# Altium PCB WeatherMonitor.PcbDoc (part 1 of 2) (continued)
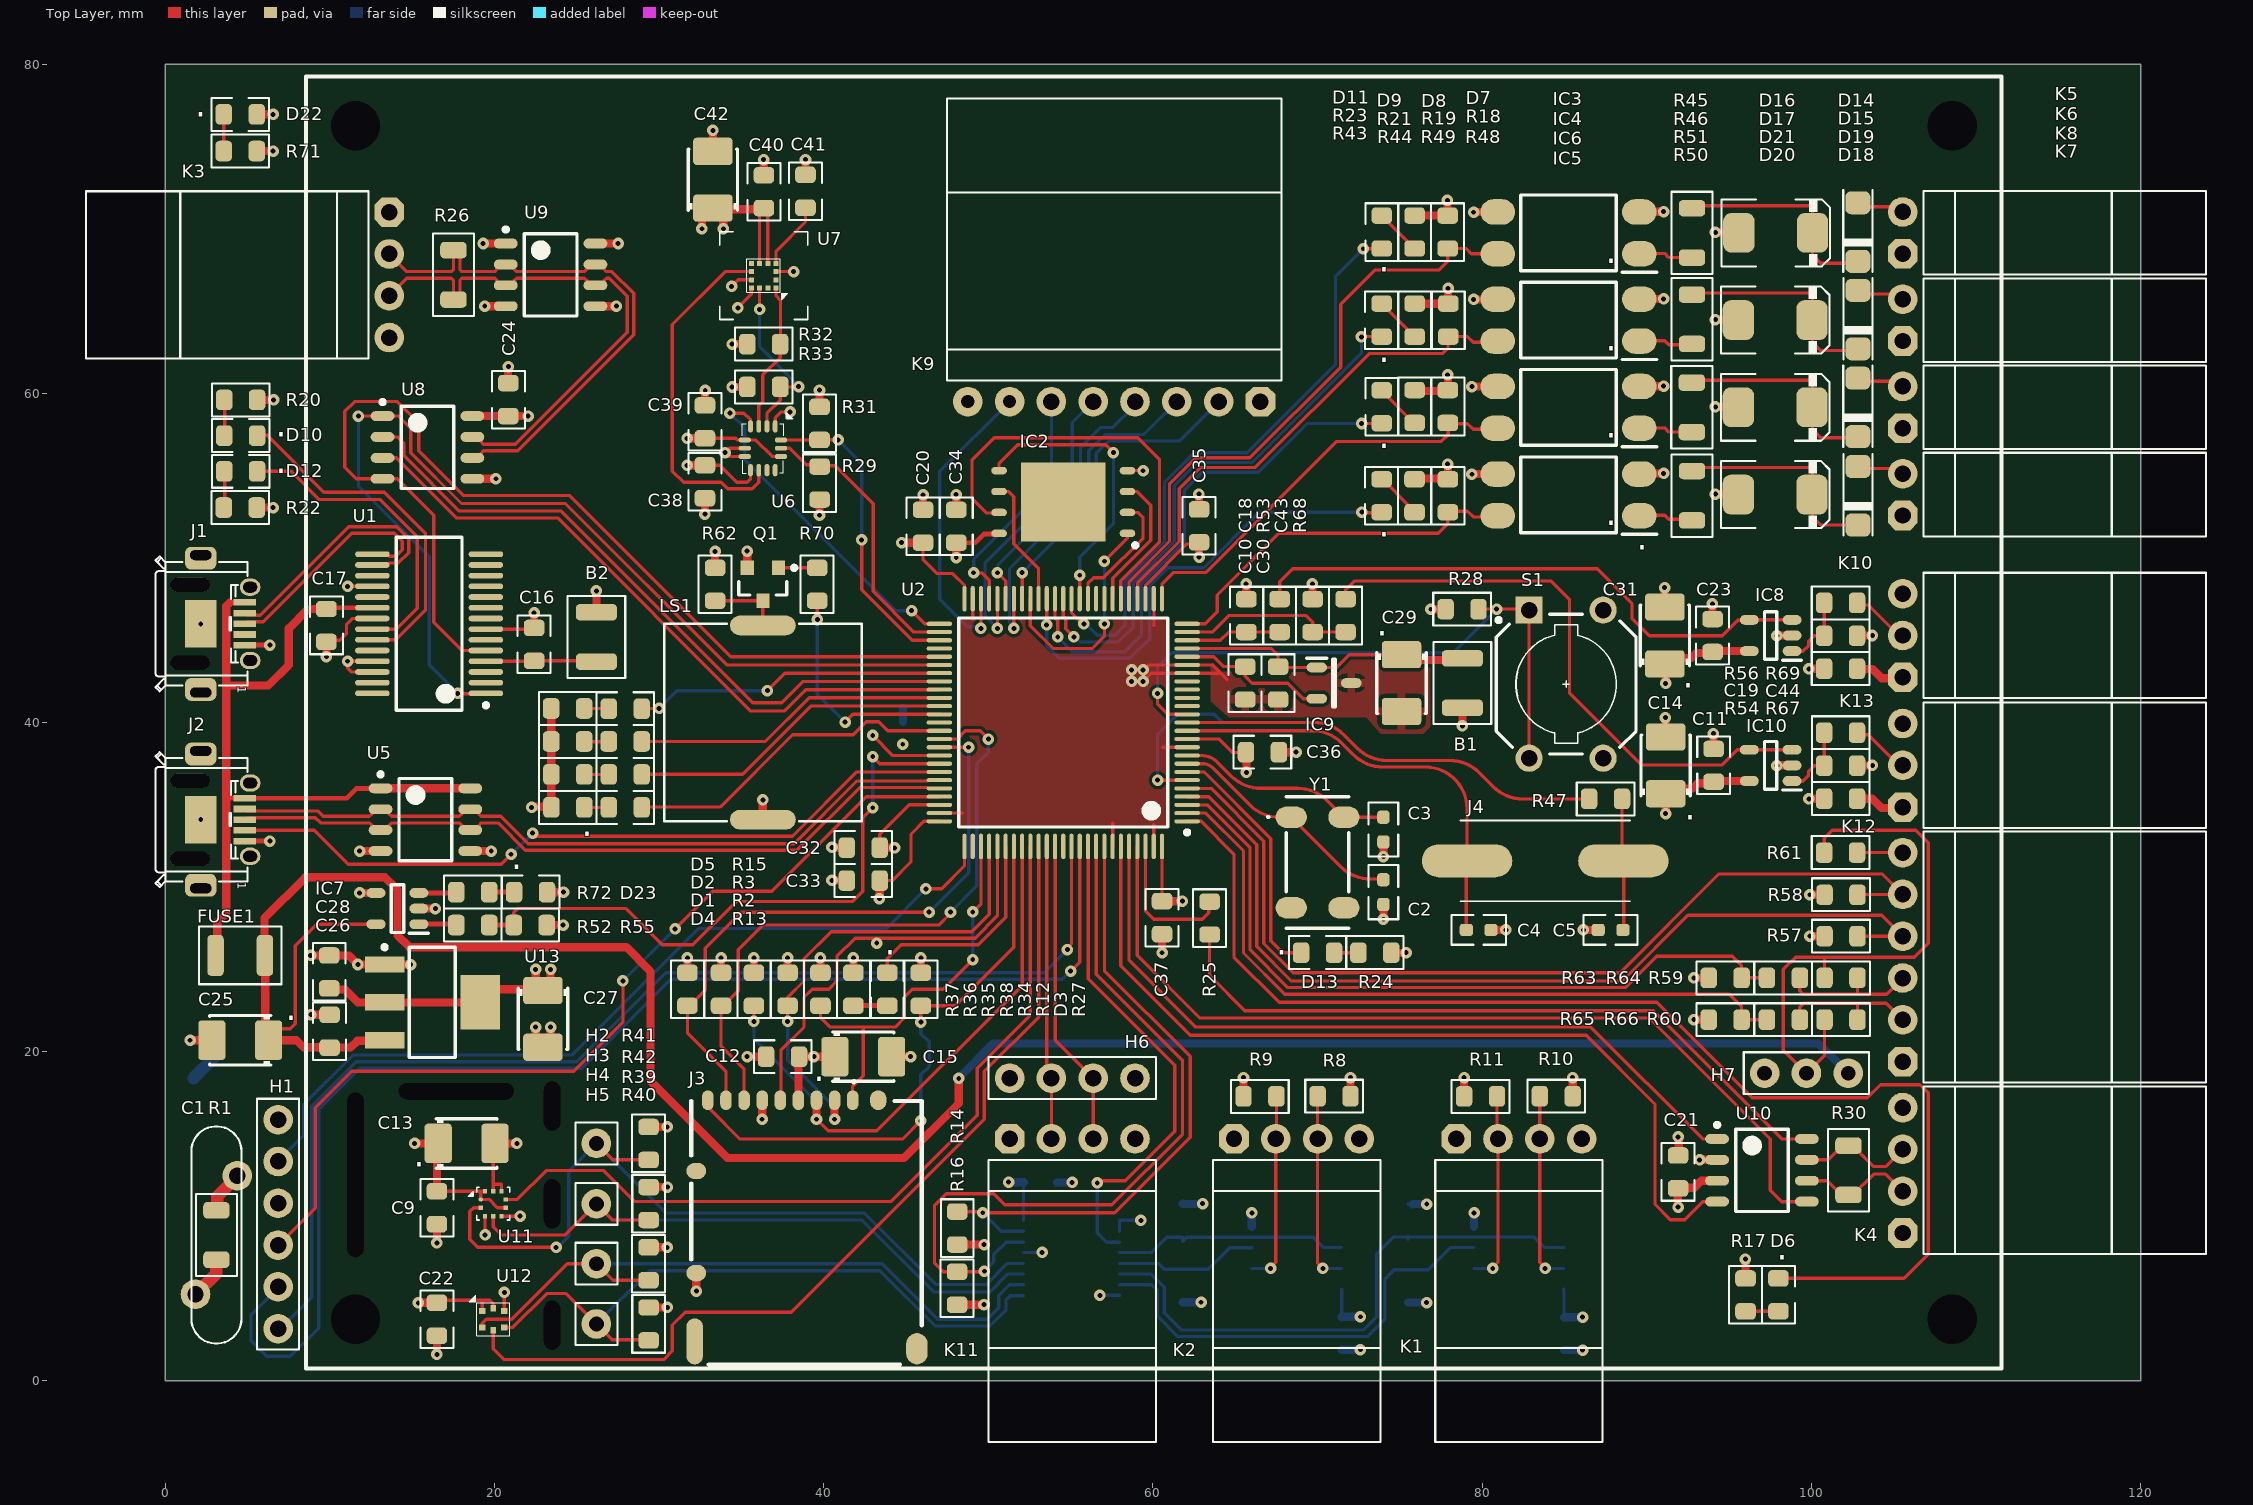
[diagram p0: Top Layer view]
## Footprints (in the part's own frame and the unit in brackets; to place one, negate y for a bottom-side part, rotate by r counter-clockwise, add the part's x,y. Pads: shape width x height; smd on the part's side, far side on the other; paste and mask are expansions set on the pad) (continued)
  silkscreen extent -2.85,-2.5 1.6,2.88, body extent -2,-2.5 2,2.5, height 1.75
SON127P800X600X100-9N-D [mm]
  oval 0.95x0.45 smd: 1(-3.9,1.905) 2(-3.9,0.635) 3(-3.9,-0.635) 4(-3.9,-1.905) 5(3.9,-1.905) 6(3.9,-0.635) 7(3.9,0.635) 8(3.9,1.905)
  rect 5.16x4.8 smd: 9(0,0)
  silkscreen extent -4.5,2.51 -4.25,2.75, body extent -4.05,-3 4.05,3, height 1
SOP65P640X110-16N [mil]
  oval 58x14 smd: 1(-115,90) 2(-115,64) 3(-115,38) 4(-115,13) 5(-115,-13) 6(-115,-38) 7(-115,-64) 8(-115,-90) 9(115,-90) 10(115,-64) 11(115,-38) 12(115,-13) 13(115,13) 14(115,38) 15(115,64) 16(115,90)
  silkscreen extent -74,-100 198,100
SOP254P960X420-4N [mm]
  oval 2.1x1.55 smd: 1(-4.3,1.27) 2(-4.3,-1.27) 3(4.3,-1.27) 4(4.3,1.27)
  silkscreen extent -5.35,-2.3 2.9,2.39, body extent -4.8,-2.3 4.8,2.3, height 4.2
SOT95P237X112-3N [mm]
  oval 1.25x0.6 smd: 1(-1.05,0.95) 2(-1.05,-0.95) 3(1.05,0)
  silkscreen extent -1.67,-1.46 0.08,1.5, body extent -1.18,-1.46 1.18,1.46, height 1.12
SOT95P280X145-5N [mm]
  oval 1.15x0.6 smd: 1(-1.3,0.95) 2(-1.3,0) 3(-1.3,-0.95) 4(1.3,-0.95) 5(1.3,0.95)
  silkscreen extent -1.88,-1.45 0.38,1.5, body extent -1.4,-1.45 1.4,1.45, height 1.45
SOT-223_N [mm] "SOT223, 4-Leads, Body 6.5x3.5mm, Pitch 2.3mm, Lead Span 7mm, IPC Medium Density"
  rect 2.4x1 smd: 1(-2.9,2.3) 2(-2.9,0) 3(-2.9,-2.3)
  rect 2.4x3.3 smd: 4(2.9,0)
  silkscreen extent -3.02,-3.35 1.4,3.47, body extent -1.85,-3.35 1.85,3.35, height 1.8
SSOP-28_N [mm] "SOP, 28-Leads, Body 10.2x5.3mm, Pitch 0.65mm, IPC Medium Density"
  oval 2.1x0.35 smd: 1(-3.45,4.225) 2(-3.45,3.575) 3(-3.45,2.925) 4(-3.45,2.275) 5(-3.45,1.625) 6(-3.45,0.975) 7(-3.45,0.325) 8(-3.45,-0.325) 9(-3.45,-0.975) 10(-3.45,-1.625) 11(-3.45,-2.275) 12(-3.45,-2.925) 13(-3.45,-3.575) 14(-3.45,-4.225) 15(3.45,-4.225) 16(3.45,-3.575) 17(3.45,-2.925) 18(3.45,-2.275) 19(3.45,-1.625) 20(3.45,-0.975) 21(3.45,-0.325) 22(3.45,0.325) 23(3.45,0.975) 24(3.45,1.625) 25(3.45,2.275) 26(3.45,2.925) 27(3.45,3.575) 28(3.45,4.225)
  silkscreen extent -3.57,-5.25 2,5.25, body extent -2.8,-5.25 2.8,5.25, height 2
WF2R [mm]
  oct 1.8x1.8 hole 1: 1(1.27,0)
  round 1.8 hole 1: 2(-1.27,0)
  silkscreen extent -2.54,1.27 2.54,18.41, body extent -2.54,-0.33 2.54,13.5, height 5.8
WF3R [mm]
  oct 1.8x1.8 hole 1: 1(2.54,0)
  round 1.8 hole 1: 2(0,0) 3(-2.54,0)
  silkscreen extent -3.81,1.27 3.81,18.41, body extent -3.81,-0.33 3.81,13.5, height 5.8
WF4R [mm]
  oct 1.8x1.8 hole 1: 1(3.81,0)
  round 1.8 hole 1: 2(1.27,0) 3(-1.27,0) 4(-3.81,0)
  silkscreen extent -5.08,1.27 5.08,18.41, body extent -5.08,-0.32 5.08,13.5, height 5.8
WF6R [mm]
  oct 1.8x1.8 hole 1: 1(6.35,0)
  round 1.8 hole 1: 2(3.81,0) 3(1.27,0) 4(-1.27,0) 5(-3.81,0) 6(-6.35,0)
  silkscreen extent -7.62,1.27 7.62,18.41, body extent -7.62,-0.32 7.62,13.5, height 5.8
WF8R [mm]
  oct 1.8x1.8 hole 1: 1(8.89,0)
  round 1.8 hole 1: 2(6.35,0) 3(3.81,0) 4(1.27,0) 5(-1.27,0) 6(-3.81,0)
  round 1.8 hole 0.8: 7(-6.35,0) 8(-8.89,0)
  silkscreen extent -10.16,1.27 10.16,18.41

## Part data
B1 B2 FUSE1: library part R-1210, "SMD 1210 0.25W 5% 200V", Price=0.045
C1 C6 C7 C8 C9 C10 C11 C12 C16 C17 C18 C19 C20 C21 C22 C23 C24 C26 C28 C30 C32 C33 C34 C35 C36 C37 C38 C39 C40 C41 C43 C44: library part C-0805, "SMD-0805", Price=0.014
C2 C3 C4 C5: library part C-0603, "SMD-0603", Price=0.014
C13 C14 C15 C25 C27 C29 C31 C42: library part "EL Case D (7343-31)", "EL Tantalum Case D (7343-31)", Price=0.60
D1 D2 D3 D4 D5 D6 D7 D8 D9 D10 D11 D12 D13 D22 D23: library part HSMZ-C190, "High Performance Chip LED, Red", LED_Colour=Red, ComponentLink1Description="Manufacturer Link", ComponentLink1URL=http://www.avagotech.com/, ComponentLink2Description=Datasheet, ComponentLink2URL=http://cp.literature.agilent.com/litweb/pdf/5988-5891EN.pdf, DatasheetVersion=11-Mar-2002, LuminousIntensity="40mcd (Minimum).", PackageDescription="SM LED; 2 Flat Leads", PackageReference=1.6X0.8X0.8, PackageVersion=Mar-2002, PCB_Layout="Complies with manufacturer's recommendation.", Published=11-Dec-2002, Publisher="Altium Limited"
D14 D15 D18 D19: "75V 0.3A SOD80/MLL34", Price=0.006
D16 D17 D20 D21: library part SMBJ18A, "TVS SMB 600W 18V", Price=0.29
IC1: "Integrated Circuit", Manufacturer_Name=Nexperia, Mouser Part Number=771-PCA9546APW-T, Datasheet Link=https://componentsearchengine.com/Datasheets/1/PCA9546APW,118.pdf, Manufacturer_Part_Number=PCA9546APW,118, Mouser Price/Stock=https://www.mouser.com/Search/Refine.aspx?Keyword=771-PCA9546APW-T
IC2: library part N25Q128A13EF840E, "Integrated Circuit", Manufacturer_Name=Micron, Mouser Part Number=340-182262, Datasheet Link=https://componentsearchengine.com/Datasheets/1/N25Q128A13EF840E.pdf, Height=1mm, Manufacturer_Part_Number=N25Q128A13EF840E, Mouser Price/Stock=https://www.mouser.com/Search/Refine.aspx?Keyword=340-182262
IC3 IC4 IC5 IC6: library part PC817X1NIP1B, "Integrated Circuit", Manufacturer_Name="Sharp Microelectronics", Mouser Part Number=852-PC817X1NIP1B, Datasheet Link=https://componentsearchengine.com/Datasheets/1/PC817X1NIP1B.pdf, Height=4.2mm, Manufacturer_Part_Number=PC817X1NIP1B, Mouser Price/Stock=https://www.mouser.com/Search/Refine.aspx?Keyword=852-PC817X1NIP1B
IC7: library part STMPS2151STR, "Integrated Circuit", Manufacturer_Name=STMicroelectronics, Mouser Part Number=511-STMPS2151STR, Datasheet Link=https://componentsearchengine.com/Datasheets/1/STMPS2151STR.pdf, Height=1.45mm, Manufacturer_Part_Number=STMPS2151STR, Mouser Price/Stock=https://www.mouser.com/Search/Refine.aspx?Keyword=511-STMPS2151STR
IC8 IC10: "Integrated Circuit", Manufacturer_Name=STMicroelectronics, Mouser Part Number=511-LMV321ILT, Datasheet Link=https://componentsearchengine.com/Datasheets/1/LMV321ILT.pdf, Height=1.45mm, Manufacturer_Part_Number=LMV321ILT, Mouser Price/Stock=https://www.mouser.com/Search/Refine.aspx?Keyword=511-LMV321ILT
IC9: library part REF3020AIDBZT, "Integrated Circuit", Manufacturer_Name="Texas Instruments", Mouser Part Number=595-REF3020AIDBZT, Datasheet Link=http://www.ti.com/lit/ds/symlink/ref3020.pdf, Height=1.12mm, Manufacturer_Part_Number=REF3020AIDBZT, Mouser Price/Stock=https://www.mouser.com/Search/Refine.aspx?Keyword=595-REF3020AIDBZT
J1 J2: "USB-MICRO-AB, 47590-0001, SMT, MOLEX"
J3: "Connector", Manufacturer_Name=Hirose, Mouser Part Number=798-DM3AT-SF-PEJM5, Datasheet Link=https://componentsearchengine.com/Datasheets/1/DM3AT-SF-PEJM5.pdf, Manufacturer_Part_Number=DM3AT-SF-PEJM5, Mouser Price/Stock=https://www.mouser.com/Search/Refine.aspx?Keyword=798-DM3AT-SF-PEJM5
J4: library part LFXTAL003166Reel, "Connector", Manufacturer_Name=IQD, Mouser Part Number=449-LFXTAL003166REEL, Datasheet Link=https://componentsearchengine.com/Datasheets/1/LFXTAL003166Reel.pdf, Height=4.3mm, Manufacturer_Part_Number=LFXTAL003166Reel, Mouser Price/Stock=https://www.mouser.com/Search/Refine.aspx?Keyword=449-LFXTAL003166REEL
K1 K2 K3 K4 K11: library part WF4R, "2.54mm 3A/250V", Price=0.11
K5 K6 K7 K8 K9 K10 K12 K13: "2.54mm 3A/250V"
  K5 K6 K7 K8: Price=0.06
  K9 K12: Price=0.17
  K10 K13: Price=0.11
LS1: library part PKLCS1212E4001-R1, "Loudspeaker or Buzzer", Manufacturer_Name="Murata Electronics", Mouser Part Number=81-PKLCS1212E4001, Datasheet Link=https://componentsearchengine.com/Datasheets/1/PKLCS1212E4001-R1.pdf, Manufacturer_Part_Number=PKLCS1212E4001-R1, Mouser Price/Stock=https://www.mouser.com/Search/Refine.aspx?Keyword=81-PKLCS1212E4001
Q1: library part BC847ALT1, "General Purpose Transistor, NPN Silicon, 3-Pin SOT-23, Tape and Reel", Manufacturer="On Semiconductor", Supplier Part Number 1=BC847ALT1OSCT-ND, ComponentLink1Description="Manufacturer URL", ComponentLink1URL=http://www.onsemi.com/, ComponentLink2Description=Datasheet, ComponentLink2URL=http://www.onsemi.cn/pub_link/Collateral/BC846ALT1-D.PDF, ComponentLink3Description="Package Specification", ComponentLink3URL=http://www.onsemi.cn/pub_link/Collateral/318-08.PDF, DatasheetVersion="Rev. 11", fT Min (MHz)=100, IC Continuous (A)=0.1, Mounting Technology="Surface Mount", PackageDescription="3-Pin Small Outline Transistor, Body 2.92 x 1.3 mm, Pitch 0.95 mm", PackageReference=SOT-23-3-318-08, PackageVersion="Rev. AP, 11/2009", Packing="Tape and Reel", PartNumber=BC847ALT1, Polarity=NPN, RoHS=FALSE, Supplier 1=Digi-Key
R1 R2 R3 R4 R5 R6 R7 R8 R9 R10 R11 R12 R13 R14 R15 R16 R17 R18 R19 R20 R21 R22 R23 R24 R25 R27 R28 R29 R31 R32 R33 R34 R35 R36 R37 R38 R39 R40 R41 R42 R43 R44 R47 R48 R49 R52 R53 R54 R55 R56 R57 R58 R59 R60 R61 R62 R63 R64 R65 R66 R67 R68 R69 R70 R71 R72: library part R-0805, "SMD 0805 0.1W 5% 150V", Price=0.017
R26 R30 R45 R46 R50 R51: library part R-1206, "SMD 1206 0.125W 5% 200V", Price=0.045
S1: library part IT-2175, "Tactile Switch, DPST; Thru-Hole; Vertical; Rating DC 12V, 50mA (max)", PackageDocument=Rev.0, ComponentLink1Description="Manufacturer Link", ComponentLink1URL=http://www.ilswitch.com/, ComponentLink2Description="Device Overview", ComponentLink2URL=http://www.ilswitch.com/list.php?ac_id=010112&ai_id=91, DatasheetDocument=Rev.0, PackageReference=IT-2175, Published=6-Jun-2005, Publisher="Altium Limited"
U1: library part FT232RL-Reel, "USB UART Asynchronous Serial Data Transfer Chip, 28-pin SSOP, Tape and Reel", Manufacturer=FTDI, ComponentLink1Description="Manufacturer URL", ComponentLink1URL=http://www.ftdichip.com/, ComponentLink2Description=Datasheet, ComponentLink2URL=http://www.ftdichip.com/Support/Documents/DataSheets/ICs/DS_FT232R.pdf, DatasheetVersion="ver 2.10, Mar-2012", PackageDescription="28-Pin Small Outline Package 0.65 mm Pitch", PackageReference=SSOP-28, PackageVersion=Mar-12, PartNumber=FT232RL-Reel
U2: "STM32 ARM-based 32-bit MCU with 1 Mbyte Flash, 100-pin LQFP", ComponentLink1Description="Manufacturer Link", ComponentLink1URL=www.st.com/stm32, ComponentLink2Description=Datasheet, ComponentLink2URL=https://www.st.com/resource/en/datasheet/stm32l475vg.pdf, DatasheetVersion="Juillet 2018Mar-2008", PackageDescription="100-Pin Low-Profile Quad Flat Pack, 14 x 14 mm Body, 0.5 mm Pitch (LQFP100)", PackageReference=LQFP100, PackageVersion=JUI-2018, Published=01-JUILLET-2018, Publisher="Altium Limited"
U3 U4: Drivers Per Package=1, Manufacturer="Texas Instruments", PartNumber=SN65HVD11SHKJ, Rating="High Temp", Supply Voltage(s)(V)=3.3, # of TX/RX="1 TX / 1 RX", Common Mode Range="-7 to 12", ComponentLink1Description=Datasheet, ComponentLink2Description="Package Specification", DatasheetVersion=SLLS934D, Duplex=Half, Eco-Plan="Green (RoHS & no Sb/Br)", ESD(kV)=16, Fail Safe="Open, Short", Fault Protection(V)="-9 to 14", ICC(Max)(mA)=18, Isolated=No, Mounting Technology="Surface Mount", Number of Nodes=256, PackageDescription="8-Lead Ceramic Dual Flatpack, Body 7.3 x 5.9 mm (LxW max), Pitch 1.27 mm", PackageReference=HKJ8, PackageVersion="revA, Oct-2008", Receivers Per Package=1, Signaling Rate(Mbps)=10, SubFamily=RS-485
U5 U9: "Data Lines Protection, 2-Input Line Filter + ESD + Vbus, SO-8", Code_IPC=SOIC127P600-8, Code_JEDEC=MS-012-AA, ComponentLink1Description="Manufacturer Link", ComponentLink1URL=http://www.st.com/, ComponentLink2Description=Datasheet, ComponentLink2URL=http://www.st.com/stonline/books/pdf/docs/5605.pdf, DatasheetVersion=2003, LatestRevisionDate=13-Apr-2006, LatestRevisionNote="IPC-7351 Footprint Added.", PackageDescription="8-Pin Small Outline Integrated Circuit 1.27 mm Pitch", PackageReference=SO8, PackageVersion=Dec-2002, Published=6-Jun-2005, Publisher="Altium Limited"
U6: "Accelero + Gyro MEMS (6 Axis)", Supplier Device Package=LGA14, RoHS="RoHS Compliant", Supplier Part Number=LSM6DSL
U7: "Magnetic sensor MEMS (3 Axis)", Supplier Device Package=LGA12, RoHS="RoHS Compliant", Supplier Part Number=LIS3MDL
U8: library part SN65HVD11SHKJ, "High Temperature 3.3 V RS-485 Transceiver, 10 Mbps, Half Duplex, -55 to 210 degC, 8-pin CFP (HIKJ)", Drivers Per Package=1, Manufacturer="Texas Instruments", Rating="High Temp", Supplier Part Number 1=296-28287-5-ND, Supply Voltage(s)(V)=3.3, # of TX/RX="1 TX / 1 RX", Common Mode Range="-7 to 12", ComponentLink1Description=Datasheet, ComponentLink1URL=http://www.ti.com/general/docs/lit/getliterature.tsp?genericPartNumber=SN65HVD11-HT&fileType=pdf, ComponentLink2Description="Package Specification", ComponentLink2URL=http://www.ti.com/litv/pdf/msoi002j, DatasheetVersion=SLLS934D, Duplex=Half, Eco-Plan="Green (RoHS & no Sb/Br)", ESD(kV)=16, Fail Safe="Open, Short", Fault Protection(V)="-9 to 14", ICC(Max)(mA)=18, Isolated=No, Mounting Technology="Surface Mount", Number of Nodes=256, PackageDescription="8-Lead Ceramic Dual Flatpack, Body 7.3 x 5.9 mm (LxW max), Pitch 1.27 mm", PackageReference=HKJ8, PackageVersion="revA, Oct-2008", PartNumber=SN65HVD11SHKJ, Receivers Per Package=1, Signaling Rate(Mbps)=10, SubFamily=RS-485, Supplier 1=Digi-Key, Supplier 2=Newark, Supplier 3=Mouser, Supplier Part Number 2=09R5436, Supplier Part Number 3=595-SN65HVD11SHKJ
U10: "3.3V CAN Transceiver with Sleep Mode, 6 mA, -40 to 125 degC, 8-pin SOIC (D), Green (RoHS & no Sb/Br)", Bus Fault Voltage(V)=+/-30, Drivers Per Package=1, Low Power Mode=Sleep, Manufacturer="Texas Instruments", Rating=Catalog, Supplier Part Number 1=296-15228-5-ND, Supply Voltage(s)(V)=3.3, Code_JEDEC=MS-012AA, ComponentLink1Description=Datasheet, ComponentLink1URL=http://www.ti.com/general/docs/lit/getliterature.tsp?genericPartNumber=SN65HVD234&fileType=pdf, DatasheetVersion=SLLS557F, Eco-Plan="Green (RoHS & no Sb/Br)", ICC(Max)(mA)=6, Isolated=No, Mounting Technology="Surface Mount", PackageDescription="8-Pin Plastic Small Outline Integrated Circuit, 4.9 x 3.9 mm, Pitch 1.27 mm Pitch", PackageReference=D8, PackageVersion="revM, Jun-2011", PartNumber=SN65HVD234D, Receivers Per Package=1, SubFamily=CAN, Supplier 1=Digi-Key, Supplier 2=Farnell, Supplier 3=Newark, Supplier 4=Mouser, Supplier Part Number 2=1212363, Supplier Part Number 3=73H4407, Supplier Part Number 4=595-SN65HVD234D, Transient Pulse Protection(V)="-100 to 100"
U11: "MEMS nano pressure/temp sensor", Supplier Device Package=HLGA-10L, RoHS="RoHS Compliant", Supplier Part Number=LPS22HB
U12: "Capacitive digital sensor for relative humidity and temperature", Supplier Device Package=HLGA-6L, RoHS="RoHS Compliant", Supplier Part Number=HTS221
U13: library part LD1117S33TR, "Fixed Low Drop Positive Voltage Regulator, 3.3V, 4-Pin SOT-223, Tape and Reel", ComponentLink1Description="Manufacturer URL", ComponentLink1URL=http://www.st.com, ComponentLink2Description=Datasheet, ComponentLink2URL=http://www.st.com/internet/com/TECHNICAL_RESOURCES/TECHNICAL_LITERATURE/DATASHEET/CD00000544.pdf, DatasheetVersion=Nov-2011, PackageDescription="4-Pin SOT-223 Package, 6.5 x 3.5 mm Body, 2.3 mm Pitch, 7 mm Lead Span", PackageReference=SOT-223, PackageVersion=2010, PartNumber=LD1117S33TR
U14: "Undefined or Miscellaneous", Manufacturer_Name="Keystone Electronics", Mouser Part Number=534-1058, Datasheet Link=https://componentsearchengine.com/Datasheets/1/1058.pdf, Height=5.08mm, Manufacturer_Part_Number=1058, Mouser Price/Stock=https://www.mouser.com/Search/Refine.aspx?Keyword=534-1058
Y1: library part ABS25-32.768KHZ-6-T, "Crystal or Oscillator", Manufacturer_Name=ABRACON, Mouser Part Number=815-ABS25-32.768K6-T, Datasheet Link=https://componentsearchengine.com/Datasheets/1/ABS25-32.768KHZ-6-T.pdf, Manufacturer_Part_Number=ABS25-32.768KHZ-6-T, Mouser Price/Stock=https://www.mouser.com/Search/Refine.aspx?Keyword=815-ABS25-32.768K6-T
H1: Price=0.06
H2 H3 H4 H5: Price=0.01
H6: Price=0.04
H7: Price=0.03

## Free pads (board coordinates)
  round 0 hole 3: 1(11.55,3.75) 1(11.55,76.25) 1(108.55,3.75) 1(108.55,76.25)
  round 0 hole 1 slot 10 at 90 deg unplated: 2(11.55,12.526)
  round 0 hole 1 slot 7 at 0 deg unplated: 2(17.675,17.6)
  round 0 hole 1 slot 3 at 90 deg unplated: 2(23.5,3.389) 2(23.5,10.76) 2(23.5,16.7)

## Via types
v1: diameter 0.7, hole 0.3, Top Layer to Bottom Layer, tented both sides, 236 vias

## Nets (pads, with @x,y where several pads share a name; then routed paths per layer and width w, separated by ;. In a path a pad name is that pad's centre, name@x,y a point inside that pad or via, vN(x,y) a via of type N, cw(c..) or ccw(c..) an arc to the next point about the centre after c; other vN are vias at no path point)
3V3OUT_FT: U1.17
+3V3: B1.1 B2.1 C6.1 C7.1 C8.1 C9.1 C11.1 C12.1 C13.1 C14.1 C15.1 C20.1 C21.1 C22.1 C23.1 C24.1 C27.1 C28.1 C31.1 C32.1 C33.1 C34.1 C35.1 C36.1 C37.1 C38.1 C39.1 C40.1 C42.1 D22.1 D23.1 H1.6 H6.4 H7.1 IC1.16 IC2.8 IC7.4 IC8.5 IC10.5 J3.4 K1.1 K2.1 K3.1 K4.1 K9.8 K11.4 LS1.2 R2.1 R3.1 R4.1 R5.2 R6.1 R7.2 R8.1 R9.1 R10.2 R11.2 R12.1 R13.1 R14.1 R15.1 R16.1 R17.1 R18.1 R19.1 R20.2 R21.1 R22.2 R23.1 R24.1 R27.1 R28.2 R29.2 R31.2 R32.2 R33.2 R34.2 R35.2 R36.2 R37.2 R38.2 R39.2 R40.2 R41.2 R42.2 R43.2 R44.2 R48.2 R49.2 R54.1 R58.1 R62.2 R67.1 U2.11 U2.28 U2.50 U2.73 U2.75 U2.100 U3.8 U4.8 U6.5 U6.8 U6.12 U7.5 U7.6 U7.10 U8.8 U9.1 U9.8 U10.3 U11.1 U11.6 U11.10 U12.1 U12.6 U13.2 U13.4 | length 195.4
  Top Layer w0.2: C22.1@16.5,4.75 16.65,4.9 19.2,4.9 ; C9.1@16.5,11.526 19.158,11.526 ; U12.1@19.245,4.25 19.245,4.855 19.2,4.9 ; U11.10@19.42,11.539 19.408,11.526 19.158,11.526 ; U12.6@19.92,4.425 19.92,4.4 19.92,4.7 19.72,4.9 19.2,4.9 ; U11.6@20.683,10.526 20.175,10.526 19.675,11.026 U11.1@19.158,11.026 19.158,11.526 ; D23.1@23.188,29.7 23.238,29.65 D23.1@23.6,29.65 ; v1@31.6,57.269 31.631,57.269 31.7,57.2 v1@31.769,57.269 ; C38.1@32.784,55.63 33.67,55.63 34.7,54.6 35.339,54.6 35.55,54.811 35.55,55.265 35.5,55.315 35.521,55.335 U6.8@35.55,55.335 ; C39.1@32.784,57.269 34.65,57.269 34.753,57.165 U6.5@35.2,57.165 35.861,57.165 36.861,56.165 U6.12@37.4,56.165 ; C42.1@33.325,71.254 33.664,71.254 C42.1@33.739,71.179 ; v1@34.784,65.196 35.601,66.013 U7.10@35.601,66.4 ; U7.6@36.101,67.9 36.101,70.99 C40.1@36.29,71.179 ; C40.1@36.365,71.255 36.6,71.02 U7.5@36.6,67.901 ; C33.1@43.4,30.4 44.161,30.4 45.3,31.539 45.3,33.215 46.085,34 U2.75@47.025,34 ; C32.1@43.4,32.4 43.408,32.408 43.408,33.215 45.193,35 U2.73@47.025,35 ; C20.1@46.035,50.926 46.035,50.363 46.035,49.9 46.885,49.05 47.847,49.05 48.55,48.347 U2.50@48.55,47.525 ; U2.28@59.55,47.525 59.55,48.34 62.06,50.85 C35.1@62.3,50.85 ; C37.1@60.55,29.15 U2.100@60.55,32.475 ; U2.11@62.075,39 64.022,39 64.847,38.175 C36.1@65.675,38.175 ; v1@62.785,50.025 62.8,50.041 v1(62.8,50.051) ; v1@75.35,26.005 75.354,26.008 cw(c75.382,25.98) v1(75.382,26.02)
  Top Layer w0.3: C34.1@48.05,50.926 49.206,50.926 49.746,51.466 50.621,51.466 IC2.8@50.65,51.495
  Top Layer w0.5: R22.2@5.549,53.065 v1(6.549,53.065) ; D22.1@5.549,76.95 v1(6.549,76.95) ; R20.2@5.575,59.6 v1(6.575,59.6) ; C28.1@9.957,23.851 9.957,23.885 9.973,23.9 10.095,23.778 10.923,23.778 11.7,23.001 U13.2@13.32,23.001 U13.4@19.12,23.001 19.919,23.8 C27.1@22.863,23.8 ; v1(11.8,29.65) IC7.4@12.8,29.65 ; v1(15.14,14.431) C13.1@16.575,14.431 16.5,14.356 C9.1@16.5,11.526 ; v1(15.365,4.75) C22.1@16.5,4.75 ; U8.8@18.65,58.621 C24.1@20.838,58.621 v1(22.038,58.621) ; v1(19.303,69.105) U9.1@20.678,69.105 U9.1@21.003,69.105 ; v1(22.252,34.85) 22.29,34.888 23.413,34.888 R13.1@23.438,34.864 ; v1(22.5,25) 22.5,24.163 C27.1@22.863,23.8 ; v1(23.4,25) 23.4,24.187 C27.1@22.938,23.725 C27.1@22.863,23.8 ; R15.1@23.438,40.856 R13.1@23.438,34.864 ; R13.1@23.452,34.85 R13.1@23.438,34.864 ; D23.1@23.6,29.65 23.641,29.691 24.179,29.691 v1(24.188,29.7) ; U9.8@25.803,69.105 U9.8@26.128,69.105 v1(27.503,69.105) ; B2.1@26.188,46.6 B2.1@26.188,46.7 v1(26.188,48) ; R39.2@29.357,8.119 v1(30.492,8.119) ; R41.2@29.357,15.431 v1(30.492,15.431) ; R40.2@29.366,4.464 v1(30.501,4.464) ; R42.2@29.366,11.776 v1(30.501,11.776) ; v1(31.7,55.63) C38.1@32.784,55.63 ; v1(31.7,57.269) 31.769,57.269 C39.1@32.784,57.269 ; R37.2@31.716,24.799 v1(31.716,25.7) ; v1(32.6,70) 32.6,70.679 33.175,71.254 C42.1@33.265,71.254 33.325,71.254 33.9,70.679 v1(33.9,70) ; R62.2@33.4,49.4 33.409,49.4 33.4,49.409 v1(33.4,50.4) ; C42.1@33.739,71.179 36.29,71.179 C40.1@36.365,71.255 ; R36.2@33.759,24.8 v1(33.759,25.701) ; v1(34.432,60.386) 34.435,60.389 35.348,60.389 R33.2@35.351,60.391 ; v1(34.432,62.991) 34.506,62.991 34.515,63 34.524,62.991 R32.2@35.35,62.991 ; R35.2@35.759,24.8 v1(35.759,25.7) ; LS1.2@36.3,34.1 36.3,34.4 v1(36.3,35.3) ; R38.2@37.8,24.8 37.8,24.9 v1(37.8,25.701) ; J3.4@38.459,17.057 38.459,19.491 38.6,19.632 38.532,19.7 C12.1@38.5,19.7 v1(39.4,19.7) 40.654,19.7 C15.1@40.675,19.7 ; R31.2@39.741,59.2 39.742,59.201 v1@39.742,60.27 ; v1(39.741,52.597) 39.741,52.621 39.7,52.662 39.718,52.662 39.746,52.689 39.746,53.592 R29.2@39.75,53.596 ; R34.2@39.8,24.8 v1(39.8,25.701) ; R12.1@41.8,24.8 v1(41.8,25.701) ; v1@43.4,29.3 C33.1@43.4,30.4 ; C32.1@43.4,32.4 v1@44.3,32.4 ; v1(44.734,50.926) C20.1@46.035,50.926 ; R27.1@45.9,24.8 v1(45.9,25.701) ; v1(48.05,50.025) C34.1@48.05,50.926 ; R16.1@48.7,4.634 v1(49.735,4.634) v1@49.835,4.634 ; R14.1@48.709,8.289 v1@49.844,8.289 ; C37.1@60.55,29.15 v1(61.785,29.15) ; v1(62.8,50.051) C35.1@62.8,50.951 ; R9.1@65.5,17.291 v1(65.5,18.426) ; v1(65.675,36.971) C36.1@65.675,38.175 ; R8.1@72,17.3 v1(72,18.435) ; R24.1@74.482,26.02 ccw(c74.519,26.057) 74.519,26.005 v1@75.35,26.005 ; R18.1@75.9,54.83 77.919,54.83 77.943,54.83 77.928,55.706 v1@77.928,55.756 ; R19.1@75.9,60.151 77.916,60.151 77.943,60.151 77.942,60.201 v1@77.928,61.077 ; R21.1@75.9,65.45 R44.2@77.943,65.45 v1(77.928,66.376) ; R23.1@75.9,70.8 75.891,70.8 R43.2@77.916,70.8 ; v1(76.877,46.885) R28.2@77.777,46.885 ; v1(77.885,71.726) 77.892,71.718 77.892,70.808 R43.2@77.9,70.8 ; v1(78.8,39.8) B1.1@78.8,40.9 B1.1@78.8,41 ; R11.2@78.9,17.291 v1(78.9,18.435) ; R10.2@85.5,17.3 v1(85.5,18.435) ; v1(91.147,34.474) C14.1@91.147,35.675 91.47,35.998 92.789,35.998 93.109,36.318 93.918,36.318 C11.1@94.05,36.45 ; v1(91.147,42.374) 91.147,43.518 C31.1@91.1,43.565 91.45,43.915 92.715,43.915 93.025,44.225 93.935,44.225 C23.1@94,44.29 ; v1(91.9,10.565) 91.888,10.565 91.885,10.569 91.885,11.685 C21.1@91.9,11.7 91.942,11.742 92.897,11.742 93.319,12.165 U10.3@94.275,12.165 U10.3@94.65,12.165 ; C23.1@94.008,44.282 C23.1@94,44.29 ; C11.1@94.074,36.427 C11.1@94.05,36.45 ; v1(95.991,7.4) 95.991,6.237 R17.1@96,6.228 ; IC10.5@96.23,36.45 C11.1@94.05,36.45 ; IC8.5@96.23,44.34 94.05,44.34 C23.1@94,44.29 ; v1(99.849,43.259) 99.856,43.267 100.767,43.267 R54.1@100.775,43.275 ; v1@99.856,35.377 R67.1@100.767,35.377 ; v1(99.9,29.54) R58.1@100.8,29.54
  Bottom Layer w0.2: IC1.16@52.129,9.755 C6.1@52.129,12.072 ; v1@63,10.7 63.018,10.718 v1(63.018,10.771) ; U4.8@71.457,5.564 71.463,5.559 C7.1@71.463,3.875 ; v1@72.39,3.904 72.394,3.9 v1(72.605,3.9) ; R7.2@75.5,10.744 75.761,10.744 R7.2@75.778,10.727 ; U3.8@84.957,5.564 84.97,5.551 C8.1@84.97,3.875
  Bottom Layer w0.5: v1(51.229,12.085) 51.229,12.08 51.237,12.072 52.129,12.072 52.158,12.072 C6.1@52.17,12.059 ; R4.1@61.791,4.784 v1(62.926,4.784) ; R6.1@61.809,10.771 61.823,10.757 62.943,10.757 v1@63,10.7 ; C7.1@71.463,3.875 C7.1@71.47,3.882 ; C7.1@71.47,3.9 C7.1@71.47,3.882 ; v1@72.39,3.904 71.492,3.904 C7.1@71.47,3.882 ; R5.2@75.491,4.761 v1(76.626,4.761) ; R7.2@75.778,10.727 75.796,10.744 v1(76.635,10.744) ; C8.1@84.97,3.875 v1(86.105,3.875)
  other v1: 49.744,8.289 43.384,29.3 44.3,32.384 99.849,35.36 77.903,55.706 39.741,60.2 77.901,61.127 34.782,65.197
+3V3_FT: B2.2 C16.1 U1.4 | length 6.7
  Top Layer w0.2: U1.4@19.475,43.725 22.378,43.725 C16.1@22.403,43.75 26.138,43.75 B2.2@26.188,43.8
ADC_IN5: C18.1 R53.1 U2.23 | length 5.8
  Top Layer w0.2: U2.23@62.075,45 62.1,45 64.1,45 64.6,45.5 C18.1@65.675,45.5 R53.1@67.7,45.5
ADC_IN6: C43.1 R68.1 U2.24 | length 10.8
  Top Layer w0.2: U2.24@62.075,45.5 63.6,45.5 64.6,46.5 69.3,46.5 69.7,46.1 C43.1@69.7,45.5 R68.1@71.7,45.5
BUSY_LCD: K9.7 U2.48 | length 18.8
  Top Layer w0.2: v1(49.55,45.725) U2.48@49.55,47.525
  Bottom Layer w0.2: v1(49.55,45.725) 49.454,45.821 48.729,45.821 47.05,47.5 47.05,55.26 K9.7@51.29,59.5
BUZZER: R70.1 U2.62 | length 14.1
  Top Layer w0.2: R70.1@39.6,47.4 39.609,47.391 v1(39.609,46.261) ; v1(41.3,40.026) 41.774,40.5 47.075,40.5 U2.62@47.025,40.5
  Bottom Layer w0.2: v1(39.609,46.261) 39.609,41.717 v1(41.3,40.026)
CAN_EN: U2.97 U10.5 | length 54.9
  Top Layer w0.2: U2.97@59.05,32.475 59.05,25.85 62.848,22.052 90.148,22.052 97.5,14.7 97.5,11.6 98.205,10.895 U10.5@99.35,10.895
CAN_N: K4.2 R30.2 U10.6 | length 7.4
  Top Layer w0.2: U10.6@99.725,12.165 100.961,12.165 R30.2@101.876,11.25 ; R30.2@101.973,11.3 R30.2@102.25,11.3 102.527,11.3 103.8,12.573 104.507,12.573 K4.2@105.55,11.53 K4.2@105.32,11.3
CAN_P: K4.3 R30.1 U10.7 | length 7.3
  Top Layer w0.2: U10.7@99.782,13.378 U10.7@99.725,13.435 101.022,13.435 101.887,14.3 R30.1@102.25,14.3 102.527,14.3 103.8,13.027 104.507,13.027 K4.3@105.55,14.07 K4.3@105.464,14.156
CAN_RS: R25.2 U10.8 | length 42.5
  Top Layer w0.2: R25.2@63.435,27.125 63.435,24.634 65.569,22.5 90.4,22.5 98.195,14.705 U10.8@99.35,14.705
CAN_RXD: U2.95 U10.4 | length 54.3
  Top Layer w0.2: U2.95@58.05,32.475 58.05,25.213 62.263,21 86.326,21 90.5,16.826 90.5,10.728 91.428,9.8 92.3,9.8 93.395,10.895 U10.4@94.65,10.895
CAN_TXD: U2.96 U10.1 | length 47.5
  Top Layer w0.2: U2.96@58.55,32.475 58.55,25.55 62.6,21.5 86.6,21.5 93.395,14.705 U10.1@94.65,14.705
CPS_100n: C41.1 U7.4 | length 4.1
  Top Layer w0.2: U7.4@37.101,67.9 37.101,68.641 38.89,70.43 C41.1@38.89,71.28
CTS#: U1.11
D/C_LCD: K9.4 U2.45 | length 16.1
  Top Layer w0.2: v1(50.55,49.1) 51.05,48.6 U2.45@51.05,47.525
  Bottom Layer w0.2: v1(50.55,49.1) 50.585,49.135 50.585,49.585 55.6,54.6 55.6,56.715 56.815,57.93 57.55,57.93 58.91,59.29 K9.4@58.91,59.5
EP: IC2.9
Fault: IC7.3 R72.1 | length 2.3
  Top Layer w0.3: IC7.3@15.4,29.65 17.625,29.65 R72.1@17.675,29.7